# Allegro board BRD-05058-03_A1.brd (continued)
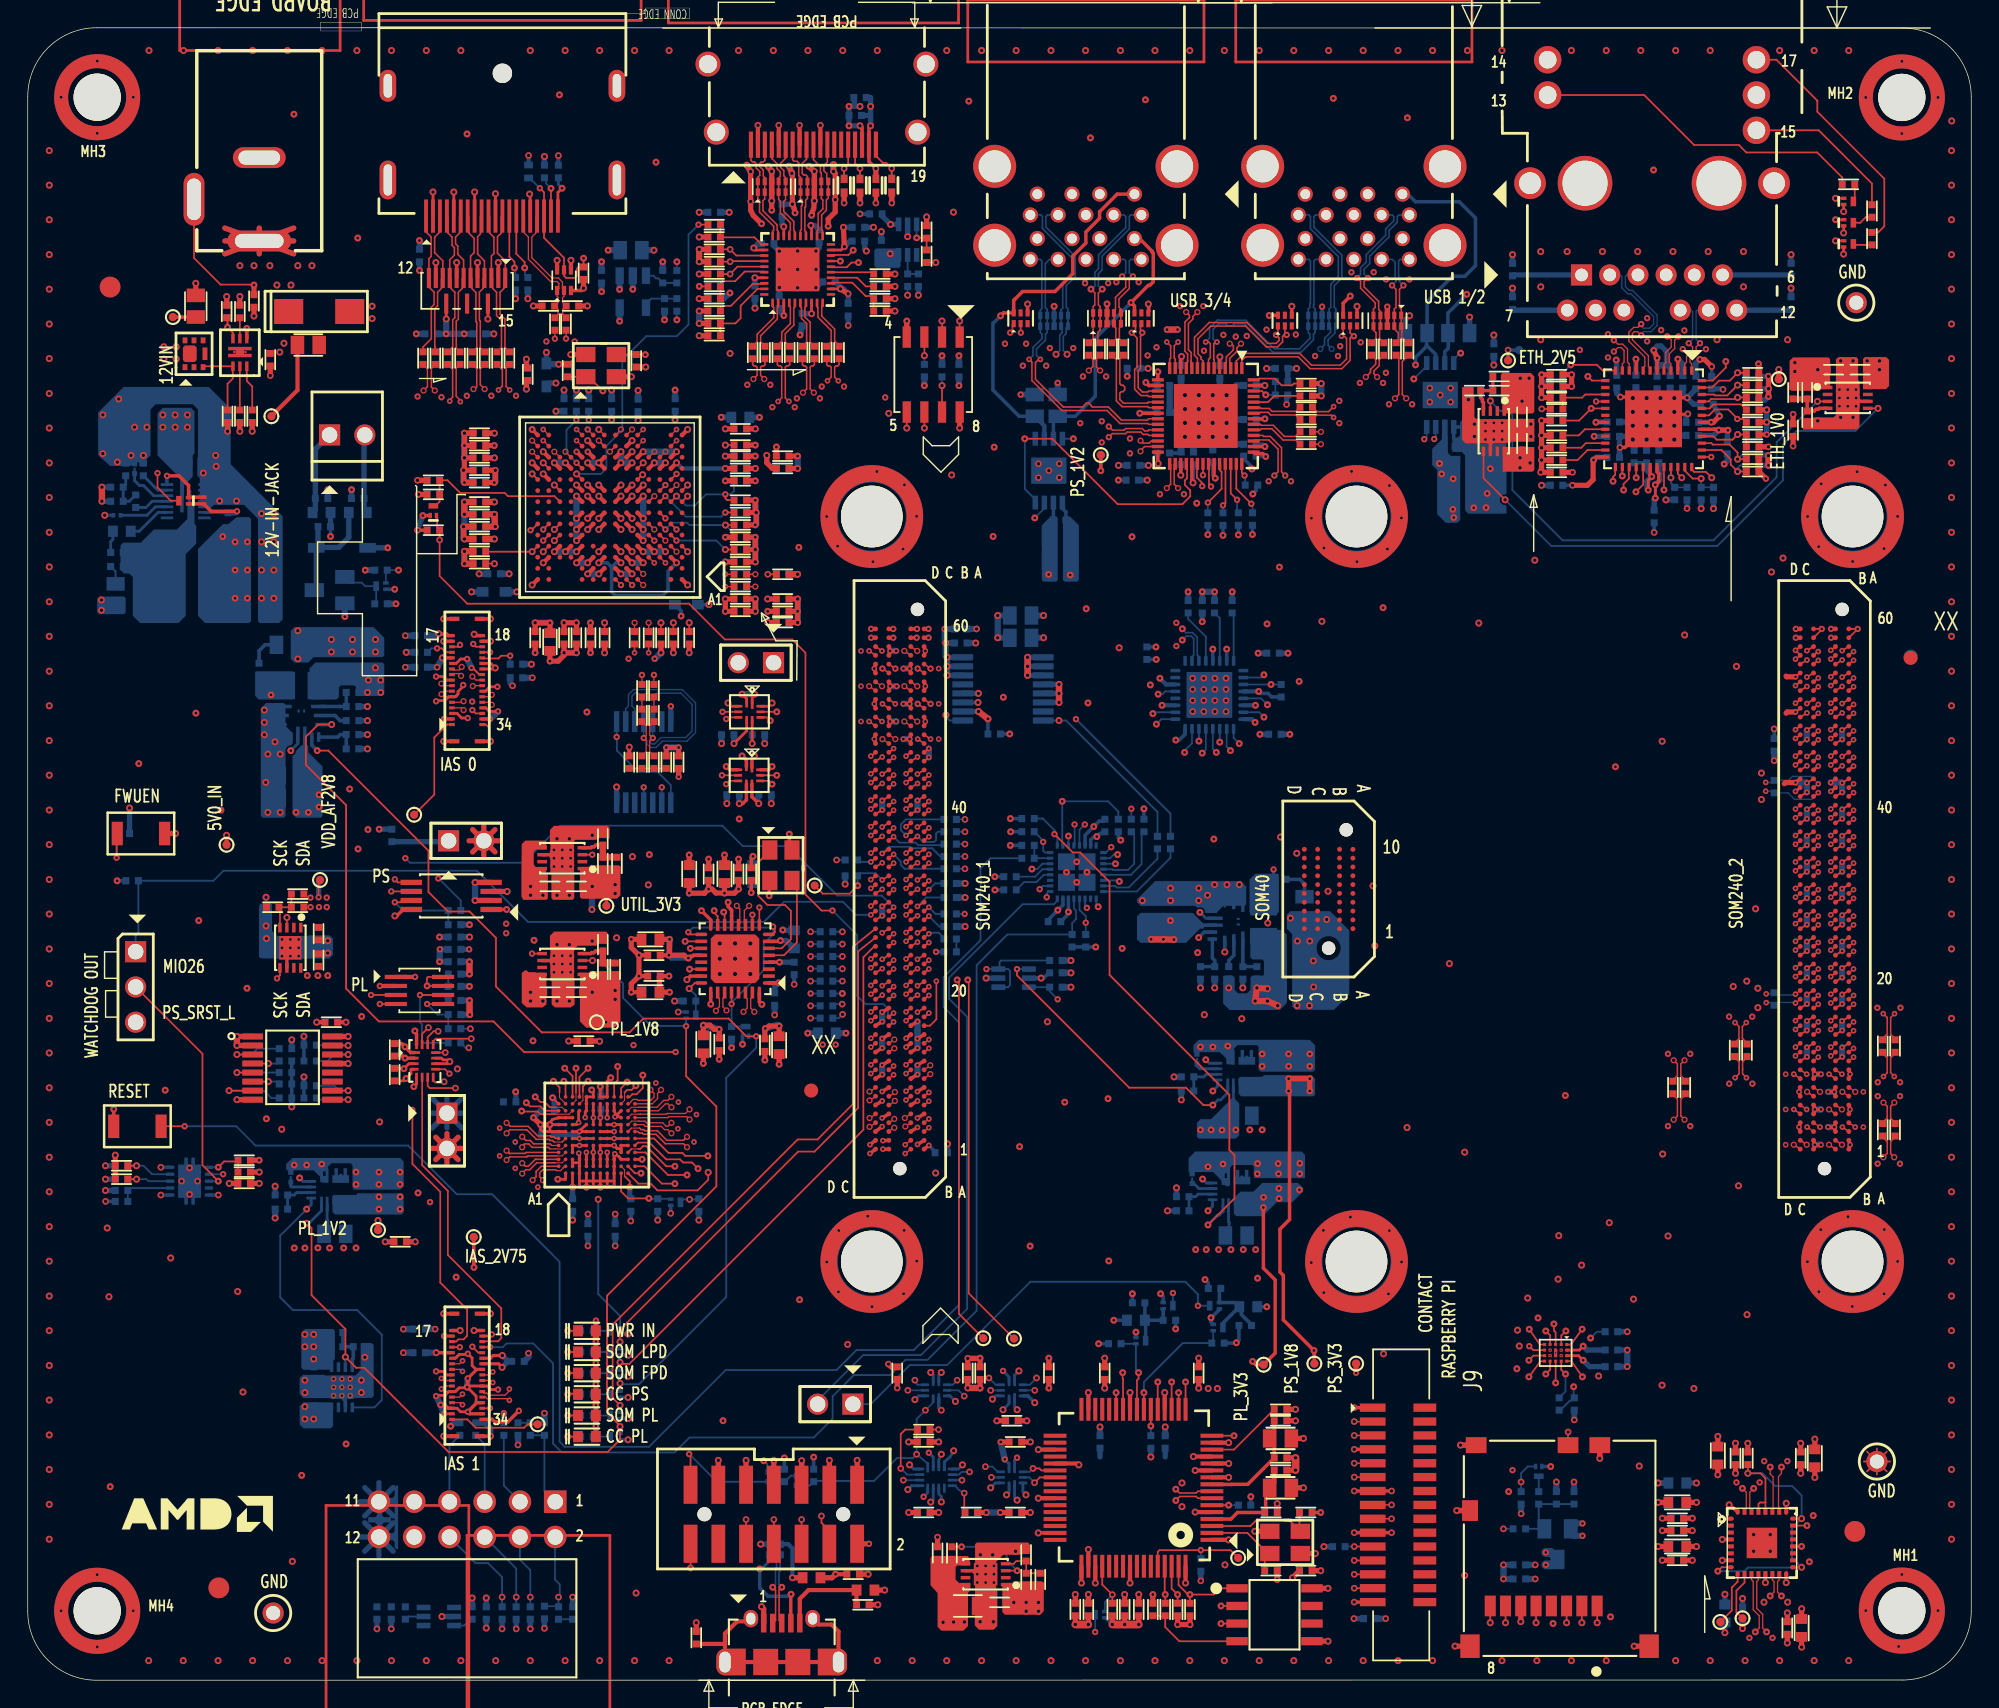
[diagram p0: board, top side]
## Routing (per net, layer and track width the routed paths; a pad name or vN(x,y) marks a point on that pad's centre or on a via; arc(x,y) is an arc through that point) (continued)
HDB01_HDB00_CC: length 1.8
  TOP w0.127: JA2.D45 v3(127.34,65.91) ; JA2.D44 v3(128.17,65.85)
  L12_SIG w0.102: v3(128.17,65.85) v3(127.34,65.91)
HDB03_HDB02: length 2.1
  TOP w0.127: JA2.D46 v3(127.34,66.55) ; JA2.D48 v3(127.34,67.82)
  L12_SIG w0.102: v3(127.34,67.82) v3(127.34,66.55)
HDB05_HDB04: length 2.5
  TOP w0.127: JA2.D49 v3(127.34,68.45) ; JA2.D50 v3(128.17,69.66)
  L12_SIG w0.102: v3(127.34,68.45) v3(128.17,69.66)
HDB07_HDB06: length 2.5
  TOP w0.127: JA2.C46 v3(128.16,66.52) ; JA2.C47 v3(128.98,67.73)
  L12_SIG w0.102: v3(128.16,66.52) 128.98,67.72 v3(128.98,67.73)
HDB09_HDB08_CC: length 2.1
  TOP w0.127: JA2.C50 v3(128.98,69.63) ; JA2.C48 v3(128.98,68.36)
  L12_SIG w0.102: v3(128.98,68.36) v3(128.98,69.63)
HDB11_HDB10: length 1.8
  TOP w0.127: JA2.C52 v3(128.16,70.33) ; JA2.C51 v3(128.98,70.27)
  L12_SIG w0.102: v3(128.16,70.33) v3(128.98,70.27)
HDB13_HDB12: length 1.9
  TOP w0.127: JA2.B44 v3(130.71,65.85) ; JA2.B45 v3(129.88,65.91)
  L12_SIG w0.102: v3(129.88,65.91) 130.64,65.91 v3(130.71,65.85)
HDB15_HDB14: length 2.1
  TOP w0.127: JA2.B46 v3(129.88,66.55) ; JA2.B48 v3(129.88,67.82)
  L12_SIG w0.102: v3(129.88,67.82) v3(129.88,66.55)
HDB17_HDB16_CC: length 2.5
  TOP w0.127: JA2.B49 v3(129.88,68.45) ; JA2.B50 v3(130.71,69.66)
  L12_SIG w0.102: v3(129.88,68.45) v3(130.71,69.66)
HDB19_HDB18: length 2.5
  TOP w0.127: JA2.A47 v3(131.52,67.73) ; JA2.A46 v3(130.7,66.52)
  L12_SIG w0.102: v3(130.7,66.52) v3(131.52,67.73)
HDB21_HDB20: length 2.1
  TOP w0.127: JA2.A48 v3(131.52,68.36) ; JA2.A50 v3(131.52,69.63)
  L12_SIG w0.102: v3(131.52,68.36) v3(131.52,69.63)
HDB23_HDB22: length 1.8
  TOP w0.127: JA2.A52 v3(130.7,70.33) ; JA2.A51 v3(131.52,70.27)
  L12_SIG w0.102: v3(130.7,70.33) v3(131.52,70.27)
HDC01_HDC00_CC: length 2.5
  TOP w0.127: JA2.D53 v3(128.17,71.56) ; JA2.D52 v3(127.34,70.36)
  L05_SIG w0.102: v3(127.34,70.36) 128.17,71.18 v3(128.17,71.56)
HDC03_HDC02: length 3.2
  TOP w0.127: JA2.D56 v3(128.17,73.47) ; JA2.D54 v3(127.34,71.63)
  L05_SIG w0.102: v3(127.34,71.63) 127.76,72.05 127.76,73.06 v3(128.17,73.47)
HDC05_HDC04: length 1.4
  TOP w0.127: JA2.D58 v3(127.34,74.17) 127.68,73.83 JA2.D57 v3(127.34,73.53)
HDC07_HDC06: length 3.8
  TOP w0.127: JA2.C55 v3(128.16,72.24) ; JA2.C54 v3(128.98,72.17)
  L05_SIG w0.102: v3(128.98,72.17) 129.25,71.91 129.39,71.91 129.49,72.01 129.49,72.58 129.39,72.68 128.55,72.68 128.16,72.3 v3(128.16,72.24)
HDC09_HDC08_CC: length 2.1
  TOP w0.127: JA2.C58 v3(128.16,74.14) ; JA2.C56 v3(128.98,73.44)
  L12_SIG w0.102: v3(128.98,73.44) v3(128.16,74.14)
HDC11_HDC10: length 1.5
  TOP w0.127: JA2.C60 129.23,75.71 v1(129.23,75.71) 129.23,75.66 JA2.C59
HDC13_HDC12: length 2.5
  TOP w0.127: JA2.B53 v3(130.71,71.56) ; JA2.B52 v3(129.88,70.36)
  L12_SIG w0.102: v3(129.88,70.36) v3(130.71,71.56)
HDC15_HDC14: length 3.2
  TOP w0.127: JA2.B56 v3(130.71,73.47) ; JA2.B54 v3(129.88,71.63)
  L03_SIG w0.102: v3(130.71,73.47) 130.32,73.08 130.32,72.06 v3(129.88,71.63)
HDC17_HDC16_CC: length 1.5
  TOP w0.127: JA2.B58 v3(129.88,74.17) ; JA2.B57 v3(129.88,73.53)
  L03_SIG w0.102: v3(129.88,74.17) v3(129.88,73.53)
HDC19_HDC18: length 1.9
  TOP w0.127: JA2.A54 v3(131.52,72.17) ; JA2.A55 v3(130.7,72.24)
  L03_SIG w0.102: v3(131.52,72.17) 131.46,72.24 v3(130.7,72.24)
HDC21_HDC20: length 2.1
  TOP w0.127: JA2.A58 v3(130.7,74.14) ; JA2.A56 v3(131.52,73.44)
  L03_SIG w0.102: v3(131.52,73.44) 130.82,74.14 v3(130.7,74.14)
HDC23_HDC22: length 1.5
  TOP w0.127: JA2.A60 131.82,75.71 v1(131.82,75.71) 131.19,75.07 JA2.A59
HDMI_5V0: length 9.2
  TOP w0.254: v2(61.09,108.87) 60.6,109.36 J5.18 60.6,111.83 v6(60.71,111.94)
  TOP w0.381: R192.1 v6(48.37,103.04) ; R193.1 v6(48.37,102.15) ; U49.1 v2(61.09,108.87)
  TOP w0.457: v6(48.37,103.04) v6(48.37,102.15)
  BOTTOM w0.381: C361.1 60.71,112.69 ; 60.71,112.69 v6(60.71,111.94) ; 60.71,112.69 v6(60.71,113.34) 60.71,113.97 C263.1
  vias: v6(62.13,102.73)
HDMI_DDC_EN: length 4.6
  TOP w0.127: R178.2 R186.2 49.9,100.58 50.07,100.75 50.95,100.75 51.65,101.44 53.01,101.44 U32.36
HDMI_DDC_SCL: length 21.2
  TOP w0.127: U55.1 v2(58.81,108.87) 59.1,109.16 J5.15 ; R192.2 v2(50.59,103.04) 51.04,102.6 U32.33
  L03_SIG w0.102: v2(58.81,108.87) 58.81,108.94 58.2,109.55 51.6,109.55 51.23,109.18 51.23,103.67 50.6,103.04 v2(50.59,103.04)
  BOTTOM w0.127: C363.1 v2(58.81,108.87)
HDMI_DDC_SCL_LS: length 47.1
  TOP w0.127: U27.D13 v6(37.13,81.27) ; R137.2 v6(33.62,80.41) ; v5(59.46,102.98) 59.12,102.64 57.9,102.64 U32.18
  L03_SIG w0.102: v6(33.62,80.41) 36.27,80.41 v6(37.13,81.27) 37.54,81.68 40.79,81.68 42.19,83.07 42.19,86.3 43.14,87.25 48.37,87.25 48.85,87.73 55.91,87.73 59.61,91.43 59.61,100.88 59.36,101.14 59.36,102.16 59.46,102.27 v5(59.46,102.98)
HDMI_DDC_SDA: length 20.3
  TOP w0.127: U32.34 50.64,102.2 v2(50.59,102.15) R193.2 ; J5.16 59.6,109.22 v2(59.95,108.87) U58.1
  L03_SIG w0.102: v2(50.59,102.15) 50.98,102.15 51.07,102.25 52.47,102.25 53.74,103.52 57.33,103.52 58.12,104.31 58.12,104.71 59.54,106.13 59.54,108.45 v2(59.95,108.87)
  BOTTOM w0.127: C362.1 v2(59.95,108.87)
HDMI_DDC_SDA_LS: length 43.9
  TOP w0.127: U27.D14 v6(36.33,81.27) 33.01,81.27 R138.2 ; U32.17 v5(58.54,102.2)
  L03_SIG w0.102: v6(36.33,81.27) 36.33,81.77 37.01,82.45 40.55,82.45 40.76,82.66 40.76,83.03 40.98,83.25 41.35,83.25 41.55,83.45 41.55,87.16 42.45,88.05 48.31,88.05 49.76,89.5 55.67,89.5 58.01,91.83 58.01,100.85 58.54,101.38 v5(58.54,102.2)
HDMI_HPD_IN: length 23.3
  TOP w0.127: R194.1 v2(50.59,101.27) 51.12,101.8 U32.35 ; J5.19 61.1,109.78 61.6,109.27 61.83,109.27 v2(62.24,108.87) U52.1
  L03_SIG w0.102: v2(50.59,101.27) 50.71,101.15 50.86,101.15 51.17,101.46 52.81,101.46 53.48,102.12 56.87,102.12 58.5,103.74 59.17,103.74 61.73,106.31 61.73,108.36 v2(62.24,108.87)
  BOTTOM w0.127: C364.1 v2(62.24,108.87)
HDMI_HPD_IN_LS: length 46.2
  TOP w0.127: U32.16 57.9,101.75 59,101.75 59.33,102.09 v5(59.84,102.09) ; U27.E4 v1(45.13,82.07)
  L12_SIG w0.102: v1(45.13,82.07) 45.13,82.65 45.76,83.27 48.39,83.27 48.92,82.74 52.07,82.74 52.1,82.71 54.71,82.71 59.79,87.79 64.03,87.79 67.71,91.48 67.71,98.19 63.81,102.09 v5(59.84,102.09)
HDMI_HPDINV: length 4.1
  TOP w0.127: U32.38 53.01,100.55 52.23,100.55 50.65,98.97 50.06,98.97 49.9,98.81 R189.1
HDMI_I2C_EN: length 3.3
  TOP w0.127: U32.14 59.75,101 60.37,100.38 R181.2
HDMI_OE_B: length 4.3
  TOP w0.127: R185.2 49.88,104.8 49.88,103.96 R187.1 49.93,103.91 52.35,103.91 52.86,103.4 U32.31
HDMI_OVS: length 5.6
  TOP w0.127: U32.39 52.57,100.2 51.35,98.98 51.35,98.09 50.97,97.71 R188.1 49.9,97.26 49.88,97.24 49.88,97.04 49.9,97.01 R180.2
HDMI_PWR_FLT_B_R: length 2.1
  BOTTOM w0.127: U48.5 R183.2 R184.2
HDMI_PWR_ON_R: length 2.6
  TOP w0.127: R182.2 R177.2 64.73,103.87 v5(64.03,103.87)
  BOTTOM w0.127: U48.3 v5(64.03,103.87)
HDMI_SRC: length 4.5
  TOP w0.127: U32.13 57.91,100.64 59.39,100.64 60.36,99.68 60.85,99.68 60.94,99.59 R190.1 60.91,99.46 60.91,98.62 R179.2
HDMI_TMDS_C_N: length 7
  TOP w0.112: U32.21 57.26,104.37 57.19,104.45 57.19,105.51 57.53,105.86 57.53,106.59 57.66,106.73 U51.5 U51.6
  TOP w0.114: J5.12 57.6,109.31 57.35,109.06 57.35,108.7 57.55,108.5 57.55,108.05 U51.6
HDMI_TMDS_C_P: length 7
  TOP w0.112: U32.22 56.86,104.35 56.94,104.42 56.94,105.62 57.28,105.96 57.28,106.59 57.16,106.7 U51.4 U51.7
  TOP w0.114: U51.7 57.16,108.53 57.1,108.6 57.1,109 56.6,109.5 J5.10
HDMI_TMDS_D0_N: length 7.5
  TOP w0.112: J5.3 53.1,109.45 52.99,109.34 52.84,109.34 52.72,109.23 52.72,109.01 52.98,108.75 52.98,108.32 53.09,108.21 U50.9 U50.2 53.09,106.68 52.96,106.55 52.96,105.82 53.98,104.8 53.98,104.43 54.06,104.35 U32.29
HDMI_TMDS_D0_P: length 7.5
  TOP w0.112: U32.30 53.66,104.35 53.73,104.42 53.73,104.7 52.71,105.72 52.71,106.58 52.59,106.7 U50.1 U50.10 52.59,108.23 52.73,108.37 52.73,108.65 52.47,108.91 52.47,109.23 52.36,109.34 52.21,109.34 52.1,109.45 J5.1
HDMI_TMDS_D1_N: length 7.3
  TOP w0.112: U32.26 55.26,104.32 55.19,104.39 55.19,104.4 55.18,104.41 55.18,105.05 54.46,105.77 54.46,106.5 54.59,106.63 U50.5 U50.6 54.59,108.21 54.47,108.34 54.47,108.72 54.23,108.96 54.23,109.23 54.6,109.61 J5.6
HDMI_TMDS_D1_P: length 7.3
  TOP w0.112: U32.27 54.86,104.33 54.94,104.41 54.94,104.95 54.21,105.67 54.21,106.51 54.09,106.63 U50.4 U50.7 54.09,108.19 54.21,108.31 54.21,108.61 53.97,108.85 53.97,109.21 53.6,109.58 J5.4
HDMI_TMDS_D2_N: length 7.1
  TOP w0.112: J5.9 56.1,109.53 55.79,109.22 55.79,108.51 55.9,108.4 56.06,108.4 56.16,108.29 U51.9 U51.2 56.16,106.71 56.04,106.58 56.04,106.12 55.98,106.06 55.98,104.38 56.06,104.3 U32.24
HDMI_TMDS_D2_P: length 7.1
  TOP w0.112: J5.7 55.1,109.48 55.19,109.39 55.43,109.39 55.54,109.28 55.54,108.36 55.66,108.23 U51.10 U51.1 55.66,106.71 55.79,106.58 55.79,106.22 55.73,106.16 55.73,104.46 55.66,104.39 U32.25
HDMI_TX0_LN0_C_N: length 3.8
  TOP w0.112: C226.2 52.79,96.38 52.79,96.82 54,98.03 54,98.85 54.06,98.91 U32.2
HDMI_TX0_LN0_C_P: length 3.8
  TOP w0.112: C227.2 52.54,96.38 52.54,96.93 53.74,98.13 53.74,98.82 53.66,98.91 U32.1
HDMI_TX0_LN0_N: length 15.6
  TOP w0.094: U27.P6 v4(43.53,90.07)
  TOP w0.112: C226.1 53.11,94.74 53.02,94.65 52.89,94.65 52.79,94.55 52.79,93.97 v4(53.06,93.7)
  L03_SIG w0.112: v4(43.53,90.07) 43.26,90.34 43.26,91.44 43.79,91.96 44.96,91.96 46.46,93.46 48.74,93.46 49.6,92.6 52.53,92.6 52.79,92.86 52.79,93.44 v4(53.06,93.7)
HDMI_TX0_LN0_P: length 15.6
  TOP w0.094: U27.P7 v4(42.73,90.07)
  TOP w0.112: C227.1 52.22,94.74 52.31,94.65 52.44,94.65 52.54,94.55 52.54,93.97 v4(52.28,93.7)
  L03_SIG w0.112: v4(52.28,93.7) 52.54,93.44 52.54,92.97 52.43,92.86 49.7,92.86 48.85,93.72 46.35,93.72 44.85,92.22 43.68,92.22 43.01,91.54 43.01,90.34 v4(42.73,90.07)
HDMI_TX0_LN1_C_N: length 3.5
  TOP w0.112: U32.5 55.26,98.91 55.19,98.83 55.19,97.59 54.57,96.97 54.57,96.38 C228.2
HDMI_TX0_LN1_C_P: length 3.5
  TOP w0.112: U32.4 54.86,98.94 54.93,98.87 54.93,97.69 54.32,97.07 54.32,96.44 54,96.12 C229.2
HDMI_TX0_LN1_N: length 17.3
  TOP w0.094: U27.N5 v3(44.33,89.27)
  TOP w0.112: C228.1 54.89,94.74 54.79,94.65 54.66,94.65 54.57,94.55 54.57,92.35 v3(54.83,92.09)
  L12_SIG w0.112: v3(44.33,89.27) 44.61,89.54 45.56,89.54 45.87,89.85 45.87,91.45 46.07,91.66 52.67,91.66 53.31,91.02 54.18,91.02 54.57,91.42 54.57,91.83 v3(54.83,92.09)
HDMI_TX0_LN1_P: length 17.3
  TOP w0.094: U27.P5 v3(44.33,90.07)
  TOP w0.112: v3(54.05,92.09) 54.32,92.35 54.32,94.55 54.22,94.65 54.09,94.65 54,94.74 C229.1
  L12_SIG w0.112: v3(54.05,92.09) 54.32,91.83 54.32,91.52 54.07,91.28 53.41,91.28 52.78,91.91 45.97,91.91 45.62,91.56 45.62,91.19 45.51,91.08 45.4,91.08 45.29,90.97 45.29,90.75 45.4,90.64 45.51,90.64 45.62,90.52 45.62,89.96 45.46,89.8 44.56,89.8 44.33,90.02 v3(44.33,90.07)
HDMI_TX0_LN2_C_N: length 3.4
  TOP w0.112: C230.2 56.36,96.37 56.36,97.8 55.99,98.18 55.99,98.87 56.06,98.94 U32.7
HDMI_TX0_LN2_C_P: length 3.4
  TOP w0.112: C231.2 56.11,96.37 56.11,97.69 55.73,98.07 55.73,98.83 55.66,98.91 U32.6
HDMI_TX0_LN2_N: length 18.3
  TOP w0.094: U27.M3 v4(45.93,88.47)
  TOP w0.112: v4(56.63,92.72) 56.36,92.99 56.36,94.55 56.46,94.65 56.57,94.65 56.67,94.74 C230.1
  L03_SIG w0.112: v4(45.93,88.47) 45.66,88.74 45.66,90.71 46.4,91.45 52.83,91.45 53.29,91 55.7,91 56.36,91.66 56.36,92.46 v4(56.63,92.72)
HDMI_TX0_LN2_P: length 18.3
  TOP w0.094: U27.M4 v4(45.13,88.47)
  TOP w0.112: C231.1 55.81,94.74 55.9,94.65 56.01,94.65 56.11,94.55 56.11,92.99 v4(55.85,92.72)
  L03_SIG w0.112: v4(55.85,92.72) 56.11,92.46 56.11,91.76 55.6,91.25 53.39,91.25 52.94,91.71 46.3,91.71 45.41,90.82 45.41,88.74 v4(45.13,88.47)
HDMI_TX0_LN3_C_N: length 3.7
  TOP w0.112: C232.2 58.44,96.12 58.13,96.44 58.13,97.31 57.2,98.23 57.2,98.9 57.26,98.96 U32.10
HDMI_TX0_LN3_C_P: length 3.7
  TOP w0.112: U32.9 56.86,98.91 56.92,98.85 56.92,98.15 57.87,97.2 57.87,96.38 C233.2
HDMI_TX0_LN3_N: length 17.8
  TOP w0.094: U27.P2 v3(46.73,90.07)
  TOP w0.112: C232.1 58.44,94.74 58.35,94.65 58.22,94.65 58.13,94.55 58.13,93.84 v3(58.39,93.58)
  L12_SIG w0.112: v3(46.73,90.07) 47.01,89.8 47.25,89.8 47.36,89.68 53.04,89.68 53.49,90.13 54.68,90.13 55.93,91.38 55.93,93.09 57.25,94.41 57.87,94.41 58.13,94.15 58.13,93.84 v3(58.39,93.58)
HDMI_TX0_LN3_P: length 17.8
  TOP w0.094: U27.N2 v3(46.73,89.27)
  TOP w0.112: v3(57.61,93.58) 57.87,93.84 57.87,94.55 57.78,94.65 57.65,94.65 57.55,94.74 C233.1
  L12_SIG w0.112: v3(46.73,89.27) 47.01,89.54 47.14,89.54 47.26,89.43 53.15,89.43 53.6,89.88 54.79,89.88 56.18,91.27 56.18,91.9 56.3,92.01 56.4,92.01 56.51,92.13 56.51,92.35 56.4,92.46 56.3,92.46 56.18,92.57 56.18,92.98 57.36,94.15 57.76,94.15 57.87,94.04 57.87,93.8 57.64,93.58 v3(57.61,93.58)
HDMI_VSADJ: length 3.1
  TOP w0.127: U32.15 60.81,101.4 R89.1
HPA00_CC_N: length 26.8
  TOP w0.089: U34.M7 43.97,39.51
  TOP w0.094: v4(62.42,40.42) 62.4,40.42 62.05,40.15 JA1.C4
  TOP w0.114: v4(47.49,38.39) 47.48,38.39 47.24,38.63 45.93,38.63 45.25,39.32 44.35,39.32 44.27,39.4 44.07,39.4 43.97,39.5 43.97,39.51
  L03_SIG w0.112: v4(62.42,40.42) 62.4,40.42 61.97,40 61.97,39.75 61.71,39.49 61.19,39.49 60.93,39.23 60.04,39.23 59.76,38.95 59.76,37.45 59.21,36.9 53.29,36.9 52.86,37.33 52.86,38.22 52.55,38.52 50.97,38.52 50.86,38.63 50.86,38.82 50.73,38.95 50.55,38.95 50.42,38.82 50.42,38.63 50.3,38.52 50.08,38.52 49.97,38.63 49.97,38.82 49.86,38.93 49.63,38.93 49.52,38.82 49.52,38.63 49.41,38.52 48.72,38.52 47.9,37.71 47.17,37.71 46.84,38.04 46.84,38.42 47.05,38.63 47.28,38.63 47.49,38.42 v4(47.49,38.39)
HPA00_CC_P: length 26.8
  TOP w0.076: 43.49,39.76 44.07,39.76 44.07,39.76
  TOP w0.094: JA1.C3 62.38,39.79 62.42,39.78 v4(62.42,39.79)
  TOP w0.114: 44.07,39.76 44.18,39.65 44.37,39.65 44.45,39.57 45.35,39.57 46.04,38.89 47.24,38.89 v4(47.49,39.14) ; U34.L7 43.49,39.76
  L03_SIG w0.112: v4(62.42,39.79) 62.37,39.79 61.82,39.23 61.29,39.23 61.04,38.98 60.15,38.98 60.02,38.85 60.02,37.35 59.31,36.64 53.18,36.64 52.6,37.22 52.6,38.11 52.45,38.27 48.82,38.27 48.01,37.45 47.06,37.45 46.58,37.94 46.58,38.52 46.94,38.89 47.24,38.89 v4(47.49,39.14)
HPA01_N: length 27.6
  TOP w0.094: v4(60.64,42.39) 60.68,42.39 60.68,42.42 60.68,42.42 60.73,42.42 JA1.D8 ; v4(45.62,42.51) 45.37,42.26 45.37,41.89 44.99,41.51 U34.M11
  L03_SIG w0.112: v4(60.64,42.39) 60.77,42.52 60.77,42.69 60.57,42.89 59.89,42.89 59.8,42.8 59.8,42.57 59.68,42.46 59.55,42.46 59.43,42.57 59.43,42.8 59.34,42.89 59.16,42.89 59.07,42.8 59.07,42.57 58.97,42.48 58.79,42.48 58.7,42.57 58.7,42.8 58.61,42.89 58.43,42.89 58.33,42.8 58.33,42.57 58.24,42.48 58.06,42.48 57.97,42.57 57.97,42.8 57.88,42.89 57.08,42.89 57,42.81 57,42.37 57.05,42.32 57.05,41.84 57,41.79 57,39.69 56.69,39.38 55.55,39.38 55.24,39.69 55.24,40.65 53.57,42.33 47.14,42.33 45.82,43.65 45.48,43.65 45.39,43.55 45.39,43.42 45.62,43.19 45.62,43.18 45.63,43.17 45.63,42.85 45.62,42.84 45.62,42.51 v4(45.62,42.51)
HPA01_P: length 27.6
  TOP w0.089: 43.88,41.83 43.61,41.83 43.42,41.64 43.42,41.62 43.31,41.51 U34.L11
  TOP w0.094: v4(44.87,42.51) 45.11,42.26 45.11,41.99 44.89,41.76 43.94,41.76 43.88,41.83 ; JA1.D7 60.73,41.78 60.68,41.79 60.68,41.78 60.68,41.75 v4(60.64,41.75)
  L03_SIG w0.112: v4(44.87,42.51) 44.87,42.51 44.87,42.84 44.86,42.85 44.86,43.17 44.87,43.18 44.87,43.21 45.13,43.47 45.13,43.66 45.38,43.9 45.93,43.9 47.25,42.58 53.67,42.58 55.5,40.76 55.5,39.79 55.65,39.64 56.59,39.64 56.74,39.79 56.74,42.92 56.97,43.15 60.68,43.15 61.06,42.77 61.06,42.18 v4(60.64,41.75)
HPA02_N: length 25.4
  TOP w0.094: JA1.D5 60.72,40.51 60.68,40.51 60.68,40.48 v4(60.64,40.48) ; v4(46.37,41.26) 46.12,41.51 45.93,41.51 45.43,41.01 U34.M10
  L03_SIG w0.099: 48.45,39.91 48.4,39.91 48.39,39.9 47.47,39.9 47.12,40.26 47.12,40.56 46.87,40.81 46.02,40.81 45.86,40.97 45.86,41.43 45.95,41.53 46.09,41.53 v4(46.37,41.26)
  L03_SIG w0.112: v4(60.64,40.48) 60.45,40.29 59.45,40.29 59,39.85 59,38.09 58.55,37.63 54.03,37.63 53.8,37.86 53.8,39.52 53.4,39.91 53.11,39.91 53,40.02 53,40.09 52.89,40.2 52.67,40.2 52.56,40.09 52.56,40.02 52.44,39.91 51.99,39.91 51.87,40.02 51.87,40.16 51.73,40.31 51.54,40.31 51.43,40.19 51.43,40.02 51.31,39.91 51.09,39.91 50.98,40.02 50.98,40.16 50.87,40.27 50.64,40.27 50.53,40.16 50.53,40.02 50.42,39.91 48.45,39.91
HPA02_P: length 25.4
  TOP w0.076: 43.99,41.26 43.49,41.26 U34.L10
  TOP w0.094: 43.99,41.26 44.74,41.26 44.75,41.26 45.33,41.26 45.82,41.76 46.12,41.76 v4(46.37,42.01) ; JA1.D4 60.72,39.87 60.68,39.88 60.68,39.85 v4(60.64,39.85)
  L03_SIG w0.099: 48.45,39.65 48.44,39.65 48.39,39.7 47.39,39.7 46.91,40.18 46.91,40.47 46.78,40.6 45.93,40.6 45.65,40.88 45.65,41.52 45.87,41.74 46.09,41.74 v4(46.37,42.01)
  L03_SIG w0.112: v4(60.64,39.85) 60.45,40.04 59.56,40.04 59.26,39.74 59.26,37.98 58.65,37.38 53.92,37.38 53.54,37.76 53.54,39.41 53.3,39.65 48.45,39.65
HPA03_N: length 25.8
  TOP w0.094: v4(47.68,40.38) 47.48,40.58 46.17,40.58 46.1,40.51 U34.M9 ; v4(62.46,42.35) 62.42,42.35 62.42,42.33 62.08,42.05 JA1.C7
  L03_SIG w0.112: v4(47.68,40.38) 47.71,40.35 48.01,40.35 48.01,40.35 48.33,40.35 48.33,40.35 48.6,40.61 49.36,40.61 49.73,40.98 53.9,40.98 54.41,40.48 54.41,38.77 54.76,38.42 57.96,38.42 58.39,38.85 58.39,40.7 58.53,40.83 60.02,40.83 60.25,41.06 61.23,41.06 61.39,40.91 62.51,40.91 62.89,41.29 62.89,41.93 v4(62.46,42.35)
HPA03_P: length 25.8
  TOP w0.076: U34.L9 43.49,40.76 43.99,40.76
  TOP w0.094: v4(47.67,41.11) 47.38,40.81 46.08,40.81 46.07,40.81 46.04,40.81 46,40.76 44.14,40.76 44.13,40.76 43.99,40.76 ; v4(62.46,41.72) 62.42,41.72 62.42,41.69 62.08,41.41 JA1.C6
  L03_SIG w0.112: v4(62.46,41.72) 62.63,41.55 62.63,41.39 62.41,41.16 61.49,41.16 61.34,41.31 60.14,41.31 59.92,41.09 58.42,41.09 58.14,40.81 58.14,38.96 57.86,38.67 54.87,38.67 54.66,38.88 54.66,40.58 54,41.24 50.72,41.24 50.61,41.35 50.61,41.51 50.46,41.65 50.3,41.65 50.16,41.51 50.16,41.35 50.05,41.24 49.63,41.24 49.25,40.87 48.61,40.87 48.33,41.14 47.7,41.14 v4(47.67,41.11)
HPA04_N: length 27.8
  TOP w0.089: U34.M8 44.35,40.01
  TOP w0.094: 44.35,40.01 44.48,39.89 45.63,39.89 45.87,39.65 46.1,39.65 v4(46.37,39.39) ; JA1.B5 v4(63.18,40.48)
  L03_SIG w0.099: 62.81,39.39 62.82,39.39 62.82,40.12 v4(63.18,40.48)
  L03_SIG w0.112: 62.81,39.39 62.23,38.8 62.23,38.34 59.87,35.98 50.76,35.98 50.65,36.09 50.65,36.53 50.51,36.67 50.34,36.67 50.2,36.53 50.2,36.09 50.09,35.98 47.32,35.98 47.27,36.03 47.27,36.03 46.89,36.41 46.89,36.41 46.73,36.57 46.53,36.54 46.53,36.54 46.22,36.85 46.22,36.85 45.9,37.17 45.9,39.54 45.99,39.63 46.16,39.63 46.37,39.42 v4(46.37,39.39)
HPA04_P: length 27.8
  TOP w0.076: U34.L8 43.49,40.26 43.99,40.26
  TOP w0.089: 44.04,40.26 43.99,40.26
  TOP w0.094: JA1.B4 v4(63.22,39.88) ; 44.04,40.26 44.46,40.26 44.59,40.14 45.74,40.14 45.97,39.9 46.14,39.9 v4(46.37,40.14)
  L03_SIG w0.099: v4(63.22,39.88) 63.04,39.7 63.04,39.26
  L03_SIG w0.112: v4(46.37,40.14) 46.12,39.89 45.89,39.89 45.64,39.65 45.64,37.07 45.96,36.75 45.96,36.74 46.42,36.28 46.55,36.28 46.64,36.3 46.78,36.16 47.02,35.93 47.02,35.92 47.21,35.73 47.42,35.73 59.97,35.73 62.48,38.24 62.48,38.7 63.04,39.26
HPA05_CC_N: length 47.5
  TOP w0.094: v3(29.8,21.73) 29.94,21.59 J8.8 ; JA1.B2 v3(63.21,38.57)
  L12_SIG w0.112: v3(29.8,21.73) 29.8,21.7 30.02,21.48 30.29,21.48 30.74,21.03 30.74,18.98 33.26,16.45 35.54,16.45 37.78,18.7 37.78,19.03 38.68,19.93 39.09,19.93 39.92,20.77 42.69,20.77 42.97,21.04 43.53,21.04 43.54,21.03 44.91,21.03 61.75,37.87 61.76,37.87 61.97,38.09 61.97,38.09 62.26,38.38 63.02,38.38 v3(63.21,38.57)
HPA05_CC_P: length 47.5
  TOP w0.094: JA1.B1 v3(63.21,37.93) ; v3(29.8,20.97) 30.01,21.19 J8.7
  L12_SIG w0.112: v3(63.21,37.93) 63.02,38.12 62.36,38.12 62.23,37.99 62.23,37.98 61.86,37.62 61.86,37.62 45.02,20.77 43.43,20.77 43.42,20.79 43.07,20.79 42.8,20.51 40.03,20.51 39.19,19.67 38.78,19.67 38.04,18.93 38.04,18.59 35.64,16.2 33.16,16.2 30.48,18.87 30.48,20.92 30.18,21.22 30.05,21.22 v3(29.8,20.97)
HPA06_N: length 47
  TOP w0.094: J8.5 31.1,20.39 v3(31.32,20.6) ; JA1.A4 v3(64.91,40.42)
  L12_SIG w0.112: v3(31.32,20.6) 31.57,20.35 32.1,20.35 32.57,19.88 32.57,19.37 33.2,18.74 35.46,18.74 38.2,21.48 39.72,21.48 40.46,22.21 42.62,22.21 42.97,22.56 42.98,22.56 43.01,22.6 43.64,22.6 47.33,26.29 47.7,26.29 48.25,25.74 48.4,25.74 48.72,26.06 48.72,26.22 48.17,26.76 48.17,27.13 60.53,39.49 63.5,39.49 63.55,39.44 64.26,39.44 64.48,39.66 64.48,39.99 v3(64.91,40.42)
HPA06_P: length 47
  TOP w0.094: v3(31.32,19.84) 31.17,19.99 J8.4 ; JA1.A3 v3(64.91,39.79)
  L12_SIG w0.112: v3(31.32,19.84) 31.57,20.09 32,20.09 32.31,19.78 32.31,19.27 33.1,18.49 35.56,18.49 38.3,21.22 39.83,21.22 40.57,21.96 42.72,21.96 43.07,22.31 43.71,22.31 47.44,26.04 47.59,26.04 48.14,25.49 48.51,25.49 48.97,25.95 48.97,26.32 48.43,26.87 48.43,27.03 60.63,39.23 62.27,39.23 62.36,39.14 62.36,39.07 62.45,38.98 62.63,38.98 62.73,39.07 62.73,39.14 62.82,39.23 63.39,39.23 63.44,39.18 64.36,39.18 64.74,39.56 64.74,39.7 64.83,39.79 v3(64.91,39.79)
HPA07_N: length 46.6
  TOP w0.094: v3(34.69,20.97) 34.69,20.84 34.38,20.53 33.21,20.53 33.06,20.67 32.85,20.67 J8.29 ; JA1.B8 v3(63.27,42.42)
  L12_SIG w0.112: v3(63.27,42.42) 63.08,42.23 62.68,42.23 61.67,41.21 60.57,41.21 47.06,27.7 45.87,27.7 45.41,27.25 45.41,26.13 45.11,25.82 44.58,25.82 44.3,26.1 44.3,27.27 43.69,27.87 41.84,27.87 41.32,27.35 41.32,26.07 41.33,26.06 41.33,25.95 41.64,25.64 42.12,25.64 42.26,25.5 42.26,25.01 42.01,24.75 41.86,24.75 41.6,24.49 41.6,24.25 41.09,23.74 39.87,23.74 39.26,23.13 38.25,23.13 35.81,20.69 34.97,20.69 v3(34.69,20.97)
HPA07_P: length 46.6
  TOP w0.094: J8.30 32.77,20.42 32.96,20.42 33.1,20.27 34.58,20.27 v3(34.69,20.16) ; JA1.B7 v3(63.27,41.78)
  L12_SIG w0.112: v3(34.69,20.16) 34.97,20.44 35.92,20.44 38.35,22.87 39.37,22.87 39.98,23.48 41.2,23.48 41.86,24.14 41.86,24.38 41.97,24.49 42.11,24.49 42.52,24.9 42.52,25.6 42.23,25.89 41.74,25.89 41.58,26.05 41.58,26.17 41.58,26.17 41.58,27.25 41.94,27.62 43.59,27.62 44.04,27.16 44.04,26 44.47,25.57 45.21,25.57 45.67,26.02 45.67,27.14 45.97,27.45 47.17,27.45 60.68,40.96 61.77,40.96 62.07,41.26 62.2,41.26 62.24,41.23 62.37,41.23 62.5,41.36 62.5,41.48 62.46,41.52 62.46,41.65 62.79,41.97 63.08,41.97 v3(63.27,41.78)
HPA08_N: length 47.5
  TOP w0.094: J8.26 33.28,21.99 v3(33.5,22.2) ; JA1.C10 v3(62.37,44.23)
  L12_SIG w0.112: v3(62.37,44.23) 62,43.86 62,43.5 61.67,43.17 60.85,43.17 47.16,29.48 44.94,29.48 44.68,29.22 44.68,28.73 44.56,28.62 44.12,28.62 44.01,28.73 44.01,29.22 43.74,29.48 42.19,29.48 41.6,28.89 41.47,28.89 40.6,29.76 40.23,29.76 39.53,29.06 39.53,28.69 40.4,27.82 40.4,27.69 39.46,26.75 39.46,26.38 40.49,25.35 40.49,25.18 40.21,24.9 40.04,24.9 39.58,25.36 39.58,25.44 39.11,25.9 38.61,25.9 37.69,24.98 37.69,24.04 36.3,22.65 34.97,22.65 34.28,21.95 33.75,21.95 v3(33.5,22.2)
HPA08_P: length 47.6
  TOP w0.094: J8.27 33.35,21.59 v3(33.5,21.44) ; JA1.C9 v3(62.37,43.6)
  L12_SIG w0.112: v3(33.5,21.44) 33.75,21.69 34.38,21.69 35.08,22.39 36.4,22.39 37.95,23.94 37.95,24.88 38.72,25.65 39.01,25.65 39.32,25.34 39.32,25.25 39.93,24.64 40.31,24.64 40.74,25.07 40.74,25.45 39.71,26.48 39.71,26.64 40.65,27.58 40.65,27.92 39.78,28.79 39.78,28.95 40.33,29.5 40.49,29.5 41.36,28.63 41.7,28.63 42.29,29.22 43.64,29.22 43.75,29.11 43.75,28.63 44.01,28.37 44.67,28.37 44.93,28.63 44.93,29.11 45.04,29.22 47.27,29.22 60.31,42.26 60.43,42.26 60.51,42.19 60.64,42.19 60.77,42.32 60.77,42.45 60.69,42.52 60.69,42.65 60.96,42.92 61.77,42.92 62.25,43.4 62.25,43.48 v3(62.37,43.6)
HPA09_N: length 47.4
  TOP w0.094: JA1.D11 v3(60.73,44.32) ; v3(31.32,23) 31.1,22.79 J8.11
  L12_SIG w0.112: v3(60.73,44.32) 60.54,44.13 60.06,44.13 49.1,33.17 49.1,32.82 48.66,32.38 48.31,32.38 46.72,30.79 39.2,30.79 37.39,28.98 37.39,28.64 38.51,27.51 38.51,27.3 38.01,26.8 37.8,26.8 36.68,27.92 36.34,27.92 35.3,26.89 35.3,26.52 36.24,25.58 36.24,25.42 35.92,25.1 35.76,25.1 34.83,26.04 34.46,26.04 33.98,25.57 33.12,25.57 32.49,24.93 32.49,23.2 32.03,22.75 31.57,22.75 v3(31.32,23)
HPA09_P: length 47.4
  TOP w0.094: JA1.D10 v3(60.73,43.69) ; J8.10 31.17,22.39 v3(31.32,22.24)
  L12_SIG w0.112: v3(60.73,43.69) 60.54,43.88 60.17,43.88 49.35,33.06 49.35,32.72 48.76,32.13 48.41,32.13 46.82,30.53 39.31,30.53 37.64,28.87 37.64,28.74 38.77,27.62 38.77,27.2 38.12,26.55 37.7,26.55 36.57,27.67 36.44,27.67 35.55,26.78 35.55,26.62 36.49,25.68 36.49,25.32 36.03,24.85 35.66,24.85 34.72,25.79 34.56,25.79 34.09,25.31 33.23,25.31 32.74,24.83 32.74,23.1 32.13,22.49 31.52,22.49 31.32,22.29 v3(31.32,22.24)
HPA10_CC_N: length 63.2
  TOP w0.094: JA1.C13 v4(62.42,46.14)
  TOP w0.114: J9.8 v2(98.25,12.63)
  L03_SIG w0.099: v4(62.42,46.14) 62.86,45.7 62.86,45.28 63.04,45.1 63.96,45.1 64.18,44.87 64.67,44.87 64.77,44.97 65.38,44.97 65.4,45 65.43,45
  L03_SIG w0.112: 65.43,45 68.36,45 77,36.36 77,32.75 79.24,30.5 79.24,29.34 81.79,26.79 82.32,26.79 83.77,25.34 87.02,25.34 91.76,20.6 96.71,20.6 98.38,18.94 98.38,14.36 97.23,13.22 96.17,13.22 95.94,12.99 95.92,12.99 95.73,12.8 95.73,12.43 95.91,12.25 97.87,12.25 v2(98.25,12.63)
HPA10_CC_P: length 63.2
  TOP w0.094: v4(62.42,45.5) 62.38,45.51 JA1.C12
  TOP w0.114: J9.9 v2(98.25,11.63)
  L03_SIG w0.099: 65.43,44.74 65.4,44.74 65.38,44.77 64.85,44.77 64.75,44.67 64.1,44.67 63.87,44.9 62.96,44.9 62.66,45.2 62.66,45.27 v4(62.42,45.5)
  L03_SIG w0.112: 65.43,44.74 68.26,44.74 68.84,44.16 68.84,44 68.79,43.96 68.79,43.76 69.06,43.48 69.26,43.48 69.31,43.53 69.47,43.53 76.75,36.25 76.75,32.64 78.99,30.4 78.99,29.23 81.68,26.54 82.22,26.54 83.66,25.09 86.91,25.09 91.65,20.35 96.61,20.35 98.12,18.83 98.12,14.47 97.13,13.47 96.06,13.47 95.83,13.24 95.77,13.24 95.48,12.95 95.48,12.33 95.81,12 97.87,12 v2(98.25,11.63)